# KiCad board nvme Carrier for LattePanda Mu.kicad_pcb
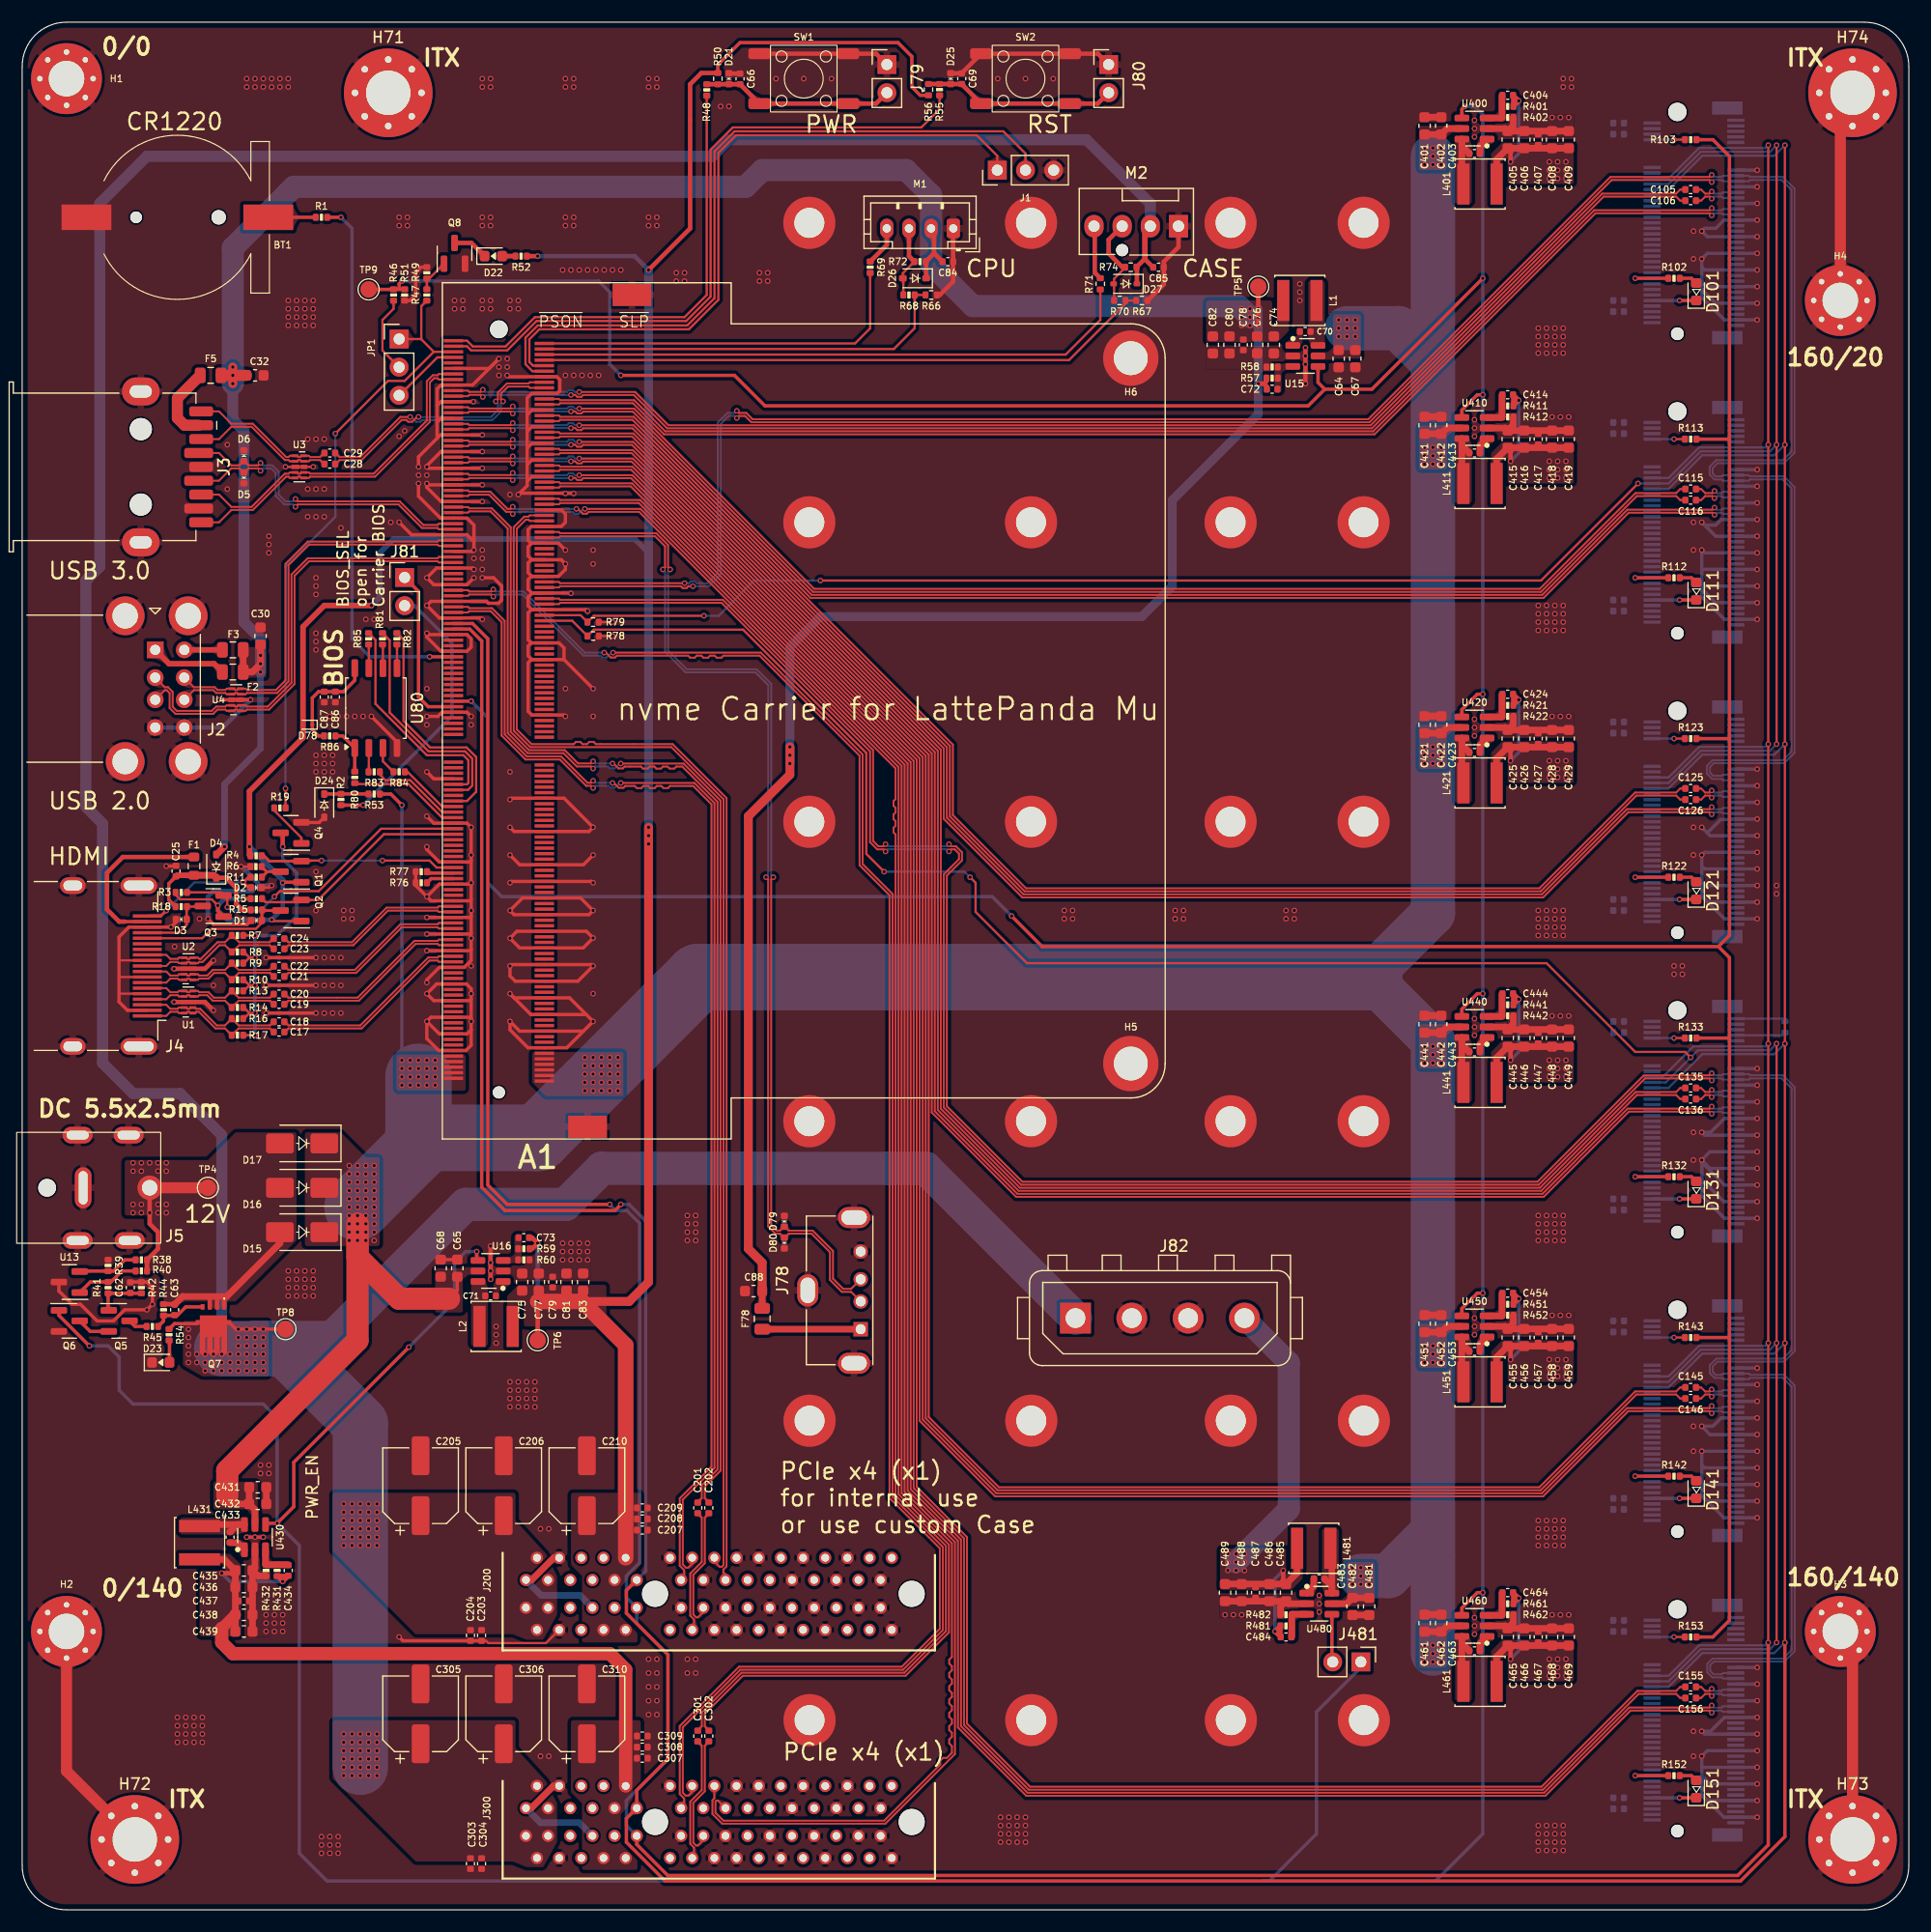
[diagram p0: board, top side]
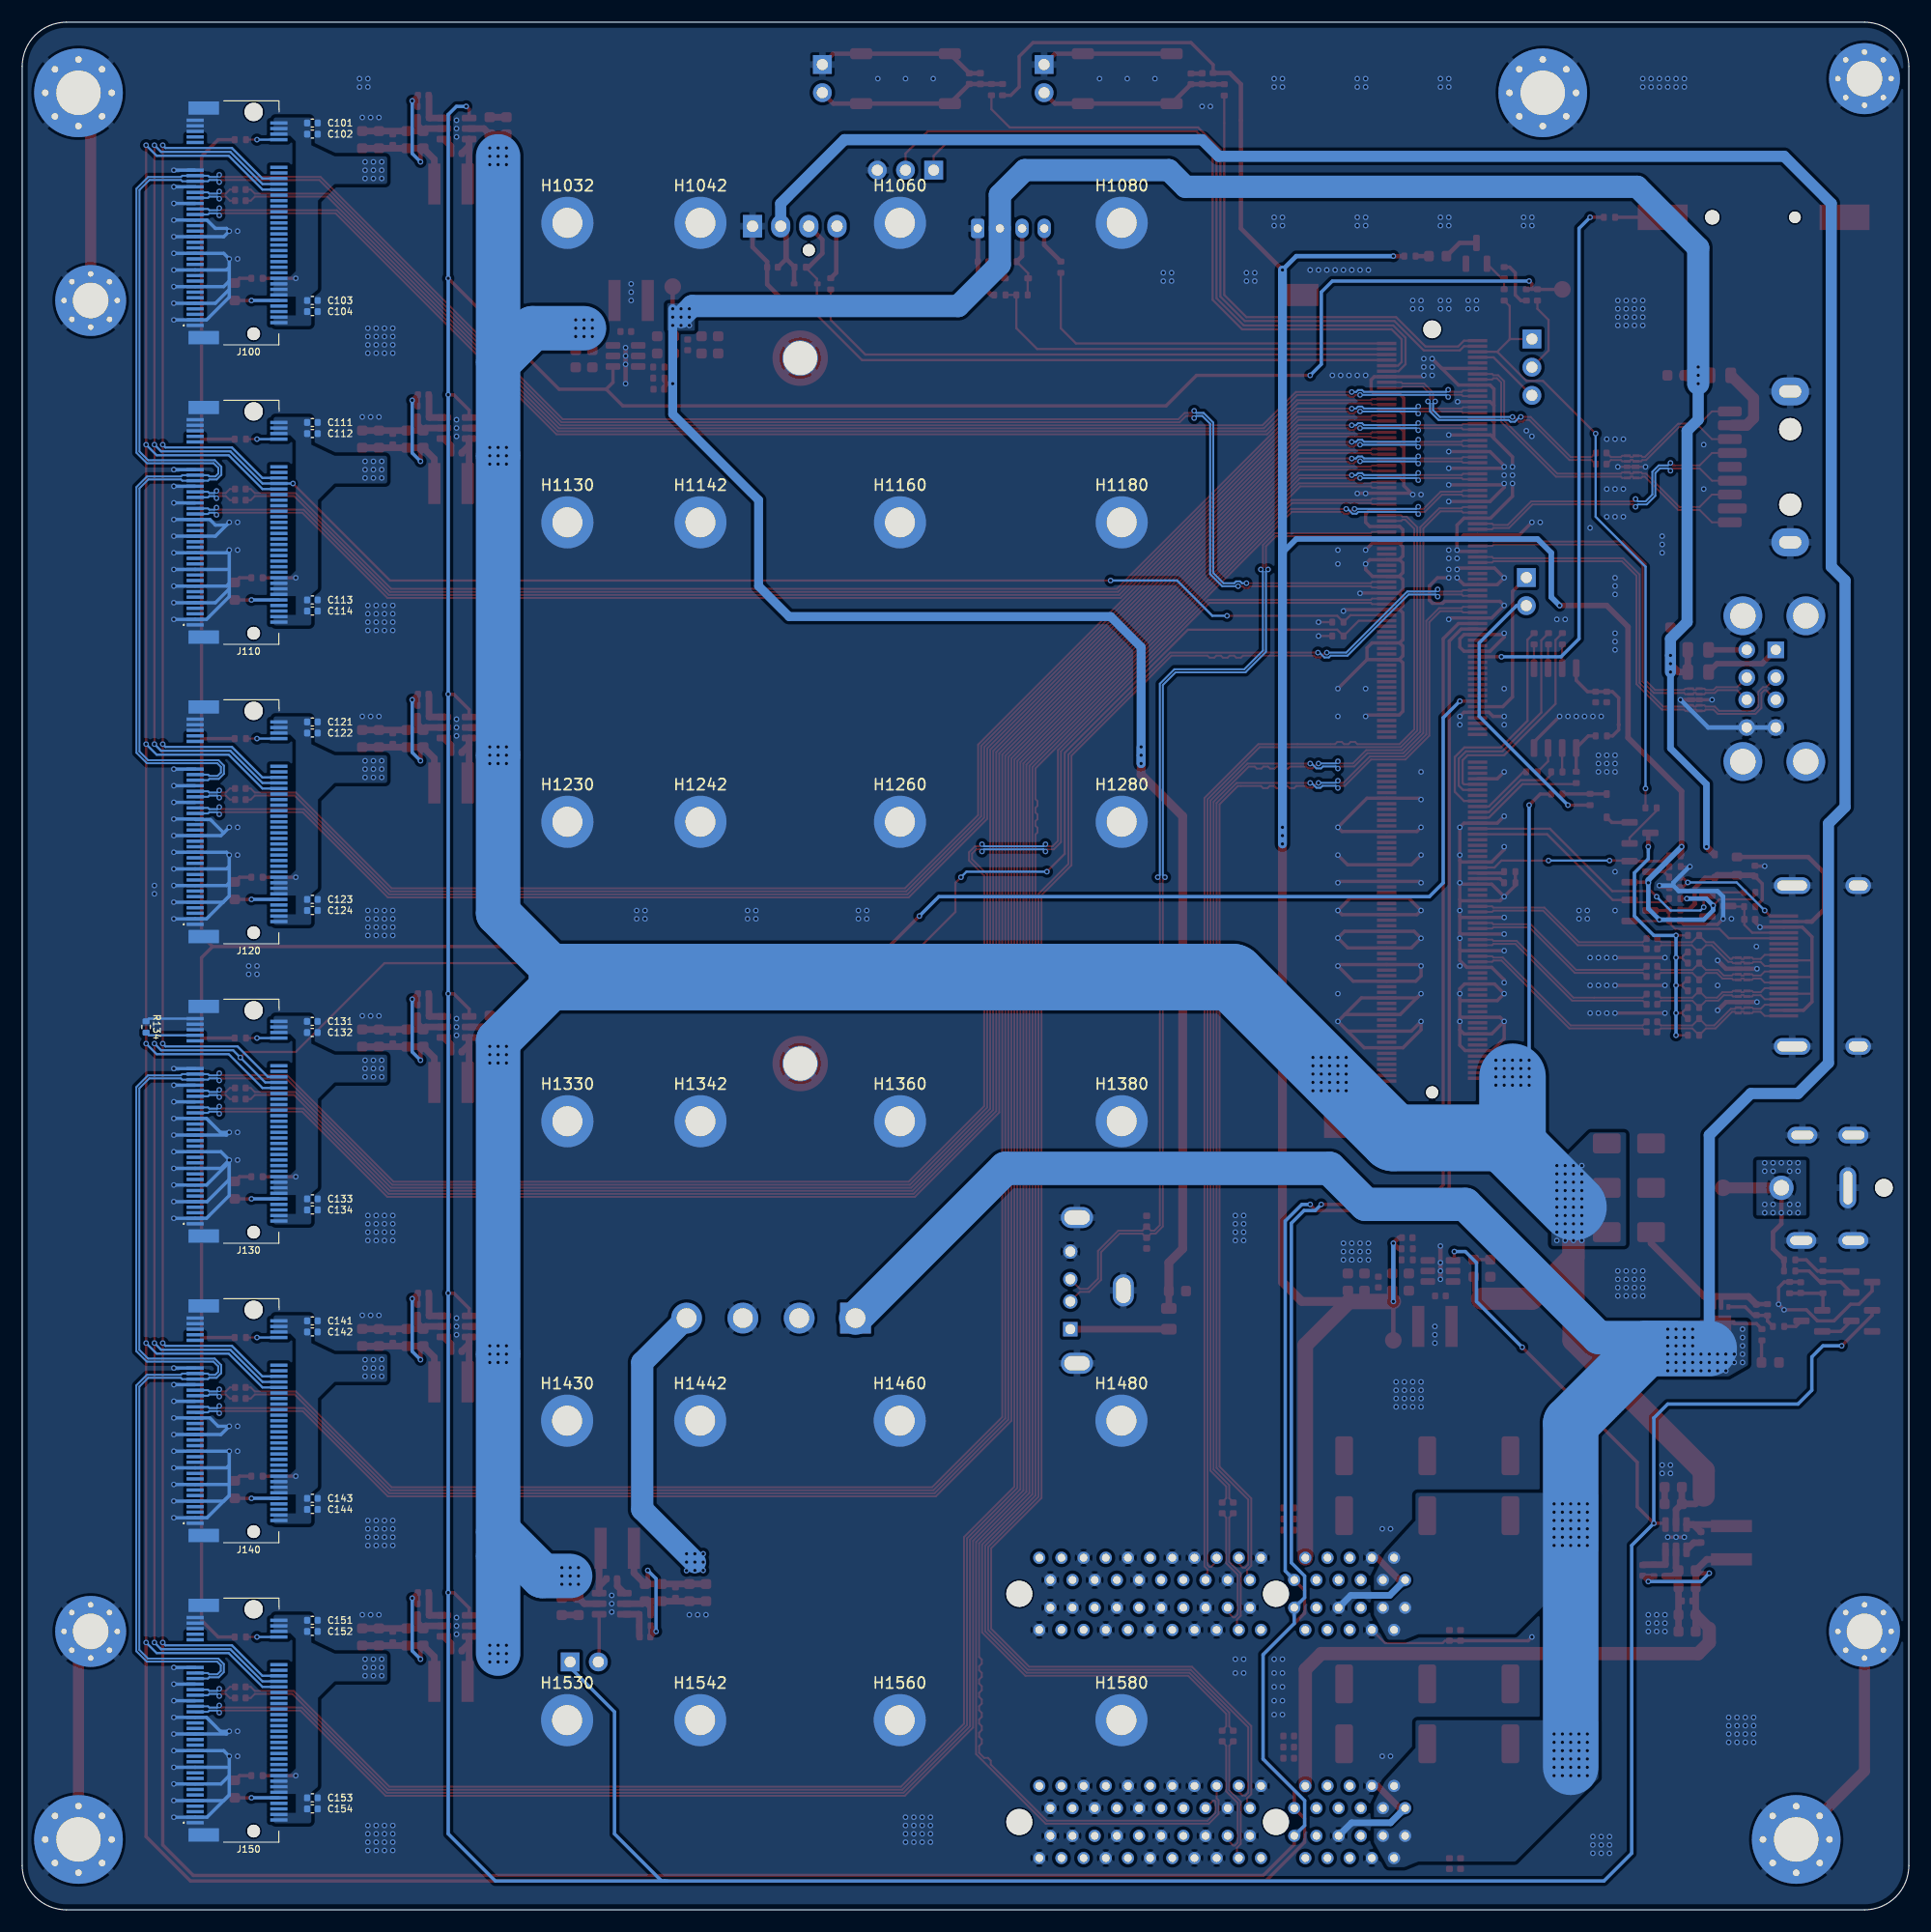
[diagram p1: board, bottom side, seen from below]

Outline 170.18 x 170.19 mm; copper layers: Top, Bottom. Coordinates in mm from the lower left corner of the outline.
Outline path: 0,166.19 0,4 arc(1.17,1.17) 4,0 166.18,0 arc(169.01,1.17) 170.18,4 170.18,166.19 arc(169.01,169.02) 166.18,170.19 4,170.19 arc(1.17,169.02) 0,166.19
Stack: Top 0.035mm / dielectric 1.51mm FR4 er 4.5 / Bottom 0.035mm

## Placement (name value [footprint] x y rotation side)
A1  LattePanda_Mu  [LattePanda_Module_H8.0mm_Horizontal]  43 108.1 90 top
BT1  Battery_Cell  [Battery_Holder_CR1220_S8411-45R]  14 152.6 90 top
C17  100nF/50V  [C_0402_1005Metric]  23.17 79.15 180 top
C18  100nF/50V  [C_0402_1005Metric]  23.17 80.07 180 top
C19  100nF/50V  [C_0402_1005Metric]  23.17 81.65 180 top
C20  100nF/50V  [C_0402_1005Metric]  23.17 82.57 180 top
C21  100nF/50V  [C_0402_1005Metric]  23.17 84.15 180 top
C22  100nF/50V  [C_0402_1005Metric]  23.17 85.07 180 top
C23  100nF/50V  [C_0402_1005Metric]  23.17 86.64 180 top
C24  100nF/50V  [C_0402_1005Metric]  23.17 87.56 180 top
C25  100nF/50V  [C_0402_1005Metric]  13.88 93.66 90 top
C28  100nF/50V  [C_0402_1005Metric]  27.75 130.35 180 top
C29  100nF/50V  [C_0402_1005Metric]  27.75 131.35 180 top
C30  22uF/10V  [C_0603_1608Metric]  21.5 114.85 270 top
C32  22uF/10V  [C_0603_1608Metric]  21 138.35 180 top
C62  1uF/16V  [C_0402_1005Metric]  9.75 56.1 90 top
C63  1uF/16V  [C_0402_1005Metric]  13.75 54.1 90 top
C64  22uF/10V  [C_0603_1608Metric]  118.75 139.85 90 top
C65  22uF/10V  [C_0603_1608Metric]  39.25 57.85 270 top
C66  1uF/16V  [C_0402_1005Metric]  64.75 165.08 90 top
C67  22uF/10V  [C_0603_1608Metric]  120.25 139.85 90 top
C68  22uF/10V  [C_0603_1608Metric]  37.75 57.85 270 top
C69  1uF/16V  [C_0402_1005Metric]  84.75 165.1 90 top
C70  100nF/50V  [C_0402_1005Metric]  115.73 142.3 180 top
C71  100nF/50V  [C_0402_1005Metric]  42.25 55.35 0 top
C72  12pF/50V  [C_0402_1005Metric]  112.75 137.1 0 top  (not fitted)
C73  12pF/50V  [C_0402_1005Metric]  45.25 60.6 180 top  (not fitted)
C74  22uF/10V  [C_0603_1608Metric]  112.9 141.1 90 top
C75  22uF/10V  [C_0603_1608Metric]  45.1 56.6 270 top
C76  22uF/10V  [C_0603_1608Metric]  111.4 141.1 90 top
C77  22uF/10V  [C_0603_1608Metric]  46.6 56.6 270 top
C78  100nF/50V  [C_0402_1005Metric]  110.15 141.1 270 top
C79  100nF/50V  [C_0402_1005Metric]  47.85 56.6 90 top
C80  22uF/10V  [C_0603_1608Metric]  108.9 141.1 90 top
C81  22uF/10V  [C_0603_1608Metric]  49.1 56.6 270 top
C82  22uF/10V  [C_0603_1608Metric]  107.4 141.1 90 top
C83  22uF/10V  [C_0603_1608Metric]  50.6 56.6 270 top
C84  100nF/50V  [C_0402_1005Metric]  83.5 148.6 0 top
C85  100nF/50V  [C_0402_1005Metric]  102.5 148.1 0 top
C86  22uF/6.3V  [C_0402_1005Metric]  28.25 109.35 270 top
C87  0.1uF/16V  [C_0402_1005Metric]  27.25 109.35 270 top
C88  22uF/10V  [C_0603_1608Metric]  65.97 55.79 0 top
C101  10uF/10V  [C_0402_1005Metric]  144 161.1 0 bottom
C102  100nF/50V  [C_0402_1005Metric]  144 160.1 0 bottom
C103  10uF/10V  [C_0402_1005Metric]  144 145.1 0 bottom
C104  100nF/50V  [C_0402_1005Metric]  144 144.1 0 bottom
C105  220nF/50V  [C_0402_1005Metric]  150.5 155.1 0 top
C106  220nF/50V  [C_0402_1005Metric]  150.5 154.1 0 top
C111  10uF/10V  [C_0402_1005Metric]  144 134.1 0 bottom
C112  100nF/50V  [C_0402_1005Metric]  144 133.1 0 bottom
C113  10uF/10V  [C_0402_1005Metric]  144 118.1 0 bottom
C114  100nF/50V  [C_0402_1005Metric]  144 117.1 0 bottom
C115  220nF/50V  [C_0402_1005Metric]  150.5 128.1 0 top
C116  220nF/50V  [C_0402_1005Metric]  150.5 127.1 0 top
C121  10uF/10V  [C_0402_1005Metric]  144 107.1 0 bottom
C122  100nF/50V  [C_0402_1005Metric]  144 106.1 0 bottom
C123  10uF/10V  [C_0402_1005Metric]  144 91.1 0 bottom
C124  100nF/50V  [C_0402_1005Metric]  144 90.1 0 bottom
C125  220nF/50V  [C_0402_1005Metric]  150.5 101.1 0 top
C126  220nF/50V  [C_0402_1005Metric]  150.5 100.1 0 top
C131  10uF/10V  [C_0402_1005Metric]  144.01 80.1 0 bottom
C132  100nF/50V  [C_0402_1005Metric]  144.01 79.1 0 bottom
C133  10uF/10V  [C_0402_1005Metric]  144 64.1 0 bottom
C134  100nF/50V  [C_0402_1005Metric]  144 63.1 0 bottom
C135  220nF/50V  [C_0402_1005Metric]  150.5 74.1 0 top
C136  220nF/50V  [C_0402_1005Metric]  150.5 73.1 0 top
C141  10uF/10V  [C_0402_1005Metric]  144 53.1 0 bottom
C142  100nF/50V  [C_0402_1005Metric]  144 52.1 0 bottom
C143  10uF/10V  [C_0402_1005Metric]  144 37.1 0 bottom
C144  100nF/50V  [C_0402_1005Metric]  144 36.1 0 bottom
C145  220nF/50V  [C_0402_1005Metric]  150.5 47.1 0 top
C146  220nF/50V  [C_0402_1005Metric]  150.5 46.1 0 top
C151  10uF/10V  [C_0402_1005Metric]  144 26.1 0 bottom
C152  100nF/50V  [C_0402_1005Metric]  144 25.1 0 bottom
C153  10uF/10V  [C_0402_1005Metric]  144 10.1 0 bottom
C154  100nF/50V  [C_0402_1005Metric]  144 9.1 0 bottom
C155  220nF/50V  [C_0402_1005Metric]  150.5 20.1 0 top
C156  220nF/50V  [C_0402_1005Metric]  150.5 19.1 0 top
C201  220nF/50V  [C_0402_1005Metric]  60.94 36.24 270 top
C202  220nF/50V  [C_0402_1005Metric]  61.94 36.24 270 top
C203  100nF/50V  [C_0402_1005Metric]  41.44 24.74 270 top
C204  100nF/50V  [C_0402_1005Metric]  40.44 24.74 270 top
C205  100uF/25V  [CP_Elec_6.3x7.7]  35.94 38.24 90 top
C206  100uF/25V  [CP_Elec_6.3x7.7]  43.44 38.24 90 top
C207  100nF/50V  [C_0402_1005Metric]  55.94 34.24 180 top
C208  10uF/10V  [C_0402_1005Metric]  55.94 35.24 180 top
C209  100nF/50V  [C_0402_1005Metric]  55.94 36.24 0 top
C210  470uF/10V  [CP_Elec_6.3x7.7]  50.94 38.24 90 top
C301  220nF/50V  [C_0402_1005Metric]  60.94 15.67 270 top
C302  220nF/50V  [C_0402_1005Metric]  61.94 15.67 270 top
C303  100nF/50V  [C_0402_1005Metric]  40.44 4.17 270 top
C304  100nF/50V  [C_0402_1005Metric]  41.44 4.17 270 top
C305  100uF/25V  [CP_Elec_6.3x7.7]  35.94 17.67 90 top
C306  100uF/25V  [CP_Elec_6.3x7.7]  43.44 17.67 90 top
C307  100nF/50V  [C_0402_1005Metric]  55.94 13.67 180 top
C308  10uF/10V  [C_0402_1005Metric]  55.94 14.67 180 top
C309  100nF/50V  [C_0402_1005Metric]  55.94 15.67 0 top
C310  470uF/10V  [CP_Elec_6.3x7.7]  50.94 17.67 90 top
C401  22uF/10V  [C_0603_1608Metric]  126.5 160.85 270 top
C402  22uF/10V  [C_0603_1608Metric]  128 160.85 270 top
C403  100nF/50V  [C_0402_1005Metric]  131 158.35 0 top
C404  12pF/50V  [C_0402_1005Metric]  134 163.6 180 top  (not fitted)
C405  22uF/10V  [C_0603_1608Metric]  134 159.6 270 top
C406  22uF/10V  [C_0603_1608Metric]  135.5 159.6 270 top
C407  100nF/50V  [C_0402_1005Metric]  136.75 159.6 90 top
C408  22uF/10V  [C_0603_1608Metric]  138 159.6 270 top
C409  22uF/10V  [C_0603_1608Metric]  139.5 159.6 270 top
C411  22uF/10V  [C_0603_1608Metric]  126.5 133.85 270 top
C412  22uF/10V  [C_0603_1608Metric]  128 133.85 270 top
C413  100nF/50V  [C_0402_1005Metric]  131 131.35 0 top
C414  12pF/50V  [C_0402_1005Metric]  134 136.6 180 top  (not fitted)
C415  22uF/10V  [C_0603_1608Metric]  134 132.6 270 top
C416  22uF/10V  [C_0603_1608Metric]  135.5 132.6 270 top
C417  100nF/50V  [C_0402_1005Metric]  136.75 132.6 90 top
C418  22uF/10V  [C_0603_1608Metric]  138 132.6 270 top
C419  22uF/10V  [C_0603_1608Metric]  139.5 132.6 270 top
C421  22uF/10V  [C_0603_1608Metric]  126.5 106.85 270 top
C422  22uF/10V  [C_0603_1608Metric]  128 106.85 270 top
C423  100nF/50V  [C_0402_1005Metric]  131 104.35 0 top
C424  12pF/50V  [C_0402_1005Metric]  134 109.6 180 top  (not fitted)
C425  22uF/10V  [C_0603_1608Metric]  134 105.6 270 top
C426  22uF/10V  [C_0603_1608Metric]  135.5 105.6 270 top
C427  100nF/50V  [C_0402_1005Metric]  136.75 105.6 90 top
C428  22uF/10V  [C_0603_1608Metric]  138 105.6 270 top
C429  22uF/10V  [C_0603_1608Metric]  139.5 105.6 270 top
C431  22uF/10V  [C_0603_1608Metric]  21.25 38.1 180 top
C432  22uF/10V  [C_0603_1608Metric]  21.25 36.6 180 top
C433  100nF/50V  [C_0402_1005Metric]  18.75 33.6 270 top
C434  12pF/50V  [C_0402_1005Metric]  24 30.6 90 top  (not fitted)
C435  22uF/10V  [C_0603_1608Metric]  20 30.6 180 top
C436  22uF/10V  [C_0603_1608Metric]  20 29.1 180 top
C437  100nF/50V  [C_0402_1005Metric]  20 27.85 0 top
C438  22uF/10V  [C_0603_1608Metric]  20 26.6 180 top
C439  22uF/10V  [C_0603_1608Metric]  20 25.1 180 top
C441  22uF/10V  [C_0603_1608Metric]  126.5 79.85 270 top
C442  22uF/10V  [C_0603_1608Metric]  128 79.85 270 top
C443  100nF/50V  [C_0402_1005Metric]  131 77.35 0 top
C444  12pF/50V  [C_0402_1005Metric]  134 82.6 180 top  (not fitted)
C445  22uF/10V  [C_0603_1608Metric]  134 78.6 270 top
C446  22uF/10V  [C_0603_1608Metric]  135.5 78.6 270 top
C447  100nF/50V  [C_0402_1005Metric]  136.75 78.6 90 top
C448  22uF/10V  [C_0603_1608Metric]  138 78.6 270 top
C449  22uF/10V  [C_0603_1608Metric]  139.5 78.6 270 top
C451  22uF/10V  [C_0603_1608Metric]  126.5 52.85 270 top
C452  22uF/10V  [C_0603_1608Metric]  128 52.85 270 top
C453  100nF/50V  [C_0402_1005Metric]  131 50.35 0 top
C454  12pF/50V  [C_0402_1005Metric]  134 55.6 180 top  (not fitted)
C455  22uF/10V  [C_0603_1608Metric]  134 51.6 270 top
C456  22uF/10V  [C_0603_1608Metric]  135.5 51.6 270 top
C457  100nF/50V  [C_0402_1005Metric]  136.75 51.6 90 top
C458  22uF/10V  [C_0603_1608Metric]  138 51.6 270 top
C459  22uF/10V  [C_0603_1608Metric]  139.5 51.6 270 top
C461  22uF/10V  [C_0603_1608Metric]  126.5 25.85 270 top
C462  22uF/10V  [C_0603_1608Metric]  128 25.85 270 top
C463  100nF/50V  [C_0402_1005Metric]  131 23.35 0 top
C464  12pF/50V  [C_0402_1005Metric]  134 28.6 180 top  (not fitted)
C465  22uF/10V  [C_0603_1608Metric]  134 24.6 270 top
C466  22uF/10V  [C_0603_1608Metric]  135.5 24.6 270 top
C467  100nF/50V  [C_0402_1005Metric]  136.75 24.6 90 top
C468  22uF/10V  [C_0603_1608Metric]  138 24.6 270 top
C469  22uF/10V  [C_0603_1608Metric]  139.5 24.6 270 top
C481  22uF/10V  [C_0603_1608Metric]  121.5 27.35 90 top
C482  22uF/10V  [C_0603_1608Metric]  120 27.35 90 top
C483  100nF/50V  [C_0402_1005Metric]  117 29.85 180 top
C484  12pF/50V  [C_0402_1005Metric]  114 24.6 0 top  (not fitted)
C485  22uF/10V  [C_0603_1608Metric]  114 28.6 90 top
C486  22uF/10V  [C_0603_1608Metric]  112.5 28.6 90 top
C487  100nF/50V  [C_0402_1005Metric]  111.25 28.6 270 top
C488  22uF/10V  [C_0603_1608Metric]  110 28.6 90 top
C489  22uF/10V  [C_0603_1608Metric]  108.5 28.6 90 top
D1  ESD5V0B03  [D_0402_1005Metric]  21.13 89.21 0 top
D2  ESD5V0B03  [D_0402_1005Metric]  21.12 92.16 180 top
D3  ESD5V0B03  [D_0402_1005Metric]  14.35 89.3 0 top
D4  1N5819WS  [D_SOD-323]  17.5 94.1 90 top
D5  ESD5V0B03  [D_0402_1005Metric]  20 129.1 90 top
D6  ESD5V0B03  [D_0402_1005Metric]  20 131.1 270 top
D15  SS54  [D_SMA]  25.25 61.1 180 top
D16  SS54  [D_SMA]  25.25 65.1 180 top
D17  SS54  [D_SMA]  25.25 69.1 180 top
D21  ESD5V0B03  [D_0402_1005Metric]  63.75 165.1 270 top
D22  LED_G  [LED_0603_1608Metric]  42.5 149.1 0 top
D23  LED_G  [LED_0603_1608Metric]  12.5 49.35 0 top
D24  3V3 Izt=5mA  [D_SOD-323]  27.25 99.55 270 top
D25  ESD5V0B03  [D_0402_1005Metric]  83.75 165.11 270 top
D26  1N5819WS  [D_SOD-323]  80.49 147.1 180 top
D27  1N5819WS  [D_SOD-323#2]  99.5 146.6 180 top
D78  D_Schottky  [D_SOD-923]  25.75 106.85 180 top
D79  ESD5V0B03  [D_0402_1005Metric]  68.75 62.09 270 top
D80  ESD5V0B03  [D_0402_1005Metric]  68.75 60.12 90 top
D101  LED_G  [LED_0603_1608Metric]  151 145.89 90 top
D111  LED_G  [LED_0603_1608Metric]  151 118.89 90 top
D121  LED_G  [LED_0603_1608Metric]  151 91.89 90 top
D131  LED_G  [LED_0603_1608Metric]  151 64.89 90 top
D141  LED_G  [LED_0603_1608Metric]  151 37.89 90 top
D151  LED_G  [LED_0603_1608Metric]  151 10.89 90 top
F1  6V/50mA  [R_0603_1608Metric]  15.5 94.1 90 top
F2  6V/1A  [Fuse_0805_2012Metric]  19 111.6 180 top
F3  6V/1A  [Fuse_0805_2012Metric]  19 113.6 180 top
F5  6V/2A  [Fuse_0805_2012Metric]  17 138.35 180 top
F78  6V/1A  [Fuse_0805_2012Metric]  66.75 53.29 270 top
H1  MountingHole_Pad  [MountingHole_3.2mm_M3_Pad_Via]  4 165.1 90 top
H2  MountingHole_Pad  [MountingHole_3.2mm_M3_Pad_Via]  4 25.1 90 top
H3  MountingHole_Pad  [MountingHole_3.2mm_M3_Pad_Via]  164 25.1 90 top
H4  MountingHole_Pad  [MountingHole_3.2mm_M3_Pad_Via]  164 145.1 90 top
H5  MountingHole_Pad  [MountingHole_3mm_M2_Pad_TopOnly]  100 76.3 90 top
H6  MountingHole_Pad  [MountingHole_3mm_M2_Pad_TopOnly]  100 139.9 90 top
H71  MountingHole_Pad  [MountingHole_4mm_Pad_Via]  33.02 163.83 0 top
H72  MountingHole_Pad  [MountingHole_4mm_Pad_Via]  10.16 6.35 0 top
H73  MountingHole_Pad  [MountingHole_4mm_Pad_Via]  165.1 6.35 0 top
H74  MountingHole_Pad  [MountingHole_4mm_Pad_Via]  165.1 163.83 0 top
H1032  MountingHole_M2.5  [MountingHole_2.7mm_M2.5_DIN965_Pad_TopBottom]  121 152.1 180 bottom
H1042  MountingHole_M2.5  [MountingHole_2.7mm_M2.5_DIN965_Pad_TopBottom]  109 152.1 180 bottom
H1060  MountingHole_M2.5  [MountingHole_2.7mm_M2.5_DIN965_Pad_TopBottom]  91 152.1 180 bottom
H1080  MountingHole_M2.5  [MountingHole_2.7mm_M2.5_DIN965_Pad_TopBottom]  71 152.1 180 bottom
H1130  MountingHole_M2.5  [MountingHole_2.7mm_M2.5_DIN965_Pad_TopBottom]  121 125.1 180 bottom
H1142  MountingHole_M2.5  [MountingHole_2.7mm_M2.5_DIN965_Pad_TopBottom]  109 125.1 180 bottom
H1160  MountingHole_M2.5  [MountingHole_2.7mm_M2.5_DIN965_Pad_TopBottom]  91 125.1 180 bottom
H1180  MountingHole_M2.5  [MountingHole_2.7mm_M2.5_DIN965_Pad_TopBottom]  71 125.1 180 bottom
H1230  MountingHole_M2.5  [MountingHole_2.7mm_M2.5_DIN965_Pad_TopBottom]  121 98.1 180 bottom
H1242  MountingHole_M2.5  [MountingHole_2.7mm_M2.5_DIN965_Pad_TopBottom]  109 98.1 180 bottom
H1260  MountingHole_M2.5  [MountingHole_2.7mm_M2.5_DIN965_Pad_TopBottom]  91 98.1 180 bottom
H1280  MountingHole_M2.5  [MountingHole_2.7mm_M2.5_DIN965_Pad_TopBottom]  71 98.1 180 bottom
H1330  MountingHole_M2.5  [MountingHole_2.7mm_M2.5_DIN965_Pad_TopBottom]  121 71.1 180 bottom
H1342  MountingHole_M2.5  [MountingHole_2.7mm_M2.5_DIN965_Pad_TopBottom]  109 71.1 180 bottom
H1360  MountingHole_M2.5  [MountingHole_2.7mm_M2.5_DIN965_Pad_TopBottom]  91 71.1 180 bottom
H1380  MountingHole_M2.5  [MountingHole_2.7mm_M2.5_DIN965_Pad_TopBottom]  71 71.1 180 bottom
H1430  MountingHole_M2.5  [MountingHole_2.7mm_M2.5_DIN965_Pad_TopBottom]  121.02 44.1 180 bottom
H1442  MountingHole_M2.5  [MountingHole_2.7mm_M2.5_DIN965_Pad_TopBottom]  109.02 44.1 180 bottom
H1460  MountingHole_M2.5  [MountingHole_2.7mm_M2.5_DIN965_Pad_TopBottom]  91.02 44.1 180 bottom
H1480  MountingHole_M2.5  [MountingHole_2.7mm_M2.5_DIN965_Pad_TopBottom]  71.03 44.1 180 bottom
H1530  MountingHole_M2.5  [MountingHole_2.7mm_M2.5_DIN965_Pad_TopBottom]  121.02 17.1 180 bottom
H1542  MountingHole_M2.5  [MountingHole_2.7mm_M2.5_DIN965_Pad_TopBottom]  109.02 17.1 180 bottom
H1560  MountingHole_M2.5  [MountingHole_2.7mm_M2.5_DIN965_Pad_TopBottom]  91.02 17.1 180 bottom
H1580  MountingHole_M2.5  [MountingHole_2.7mm_M2.5_DIN965_Pad_TopBottom]  71.03 17.1 180 bottom
J1  Conn_01x03_Pin  [PinHeader_1x03_P2.54mm_Vertical]  87.96 156.85 90 top
J2  USB_A_Stacked  [USB_A_CUI_UJ2-ADH-TH_Horizontal_Stacked]  12 113.6 0 top
J3  USB3_A  [USB3_A_Receptacle_Wuerth_692122030100]  7.25 130.1 270 top
J4  HDMI_A  [HDMI_A_Molex_208658-1001_Horizontal]  8 85.1 180 top
J5  Barrel_Jack_Switch  [DC_Jack_DC007B_30V_10A]  -0.5 65.1 90 top
J78  USB_A  [USB_A_Molex_105057_Vertical]  75.63 52.35 90 top
J79  Conn_01x02_Pin  [PinHeader_1x02_P2.54mm_Vertical]  78 166.38 0 top
J80  Conn_01x02_Pin  [PinHeader_1x02_P2.54mm_Vertical]  98 166.38 0 top
J81  Conn_01x02_Pin  [PinHeader_1x02_P2.54mm_Vertical]  34.5 120.13 0 top
J82  Conn_01x04  [TE_MATE-N-LOK_350211-1_1x04_P5.08mm_Vertical]  95.01 53.35 0 top
J100  Bus_M.2_Socket_M  [PCIe_M.2_Connectors_P=0.5mm_H=4.2mm_KeyM]  151 152.1 90 bottom
J110  Bus_M.2_Socket_M  [PCIe_M.2_Connectors_P=0.5mm_H=4.2mm_KeyM]  151 125.1 90 bottom
J120  Bus_M.2_Socket_M  [PCIe_M.2_Connectors_P=0.5mm_H=4.2mm_KeyM]  151 98.1 90 bottom
J130  Bus_M.2_Socket_M  [PCIe_M.2_Connectors_P=0.5mm_H=4.2mm_KeyM]  151 71.1 90 bottom
J140  Bus_M.2_Socket_M  [PCIe_M.2_Connectors_P=0.5mm_H=4.2mm_KeyM]  151 44.1 90 bottom
J150  Bus_M.2_Socket_M  [PCIe_M.2_Connectors_P=0.5mm_H=4.2mm_KeyM]  151 17.1 90 bottom
J200  Bus_PCI_Express_x4  [PCIe_x4_Gen3Slot_Connectors]  45.44 29.74 0 top
J300  Bus_PCI_Express_x4  [PCIe_x4_Gen3Slot_Connectors]  45.44 9.17 0 top
J481  Conn_01x02_Pin  [PinHeader_1x02_P2.54mm_Vertical]  120.75 22.35 270 top
JP1  Jumper_3_Bridged12  [PinHeader_1x03_P2.54mm_Vertical]  34 141.62 0 top
L1  2.2uH/4.3A  [L_Sunlord_SWPA4020S]  115.25 145.1 180 top
L2  2.2uH/4.3A  [L_Sunlord_SWPA4020S]  42.75 52.6 0 top
L401  2.2uH/4.3A  [L_Sunlord_SWPA4020S]  131.5 155.6 0 top
L411  2.2uH/4.3A  [L_Sunlord_SWPA4020S]  131.5 128.6 0 top
L421  2.2uH/4.3A  [L_Sunlord_SWPA4020S]  131.5 101.6 0 top
L431  2.2uH/4.3A  [L_Sunlord_SWPA4020S]  16 33.1 270 top
L441  2.2uH/4.3A  [L_Sunlord_SWPA4020S]  131.5 74.6 0 top
L451  2.2uH/4.3A  [L_Sunlord_SWPA4020S]  131.5 47.6 0 top
L461  2.2uH/4.3A  [L_Sunlord_SWPA4020S]  131.5 20.6 0 top
L481  2.2uH/4.3A  [L_Sunlord_SWPA4020S]  116.5 32.6 180 top